# KiCad board OOTstag rev2.kicad_pcb
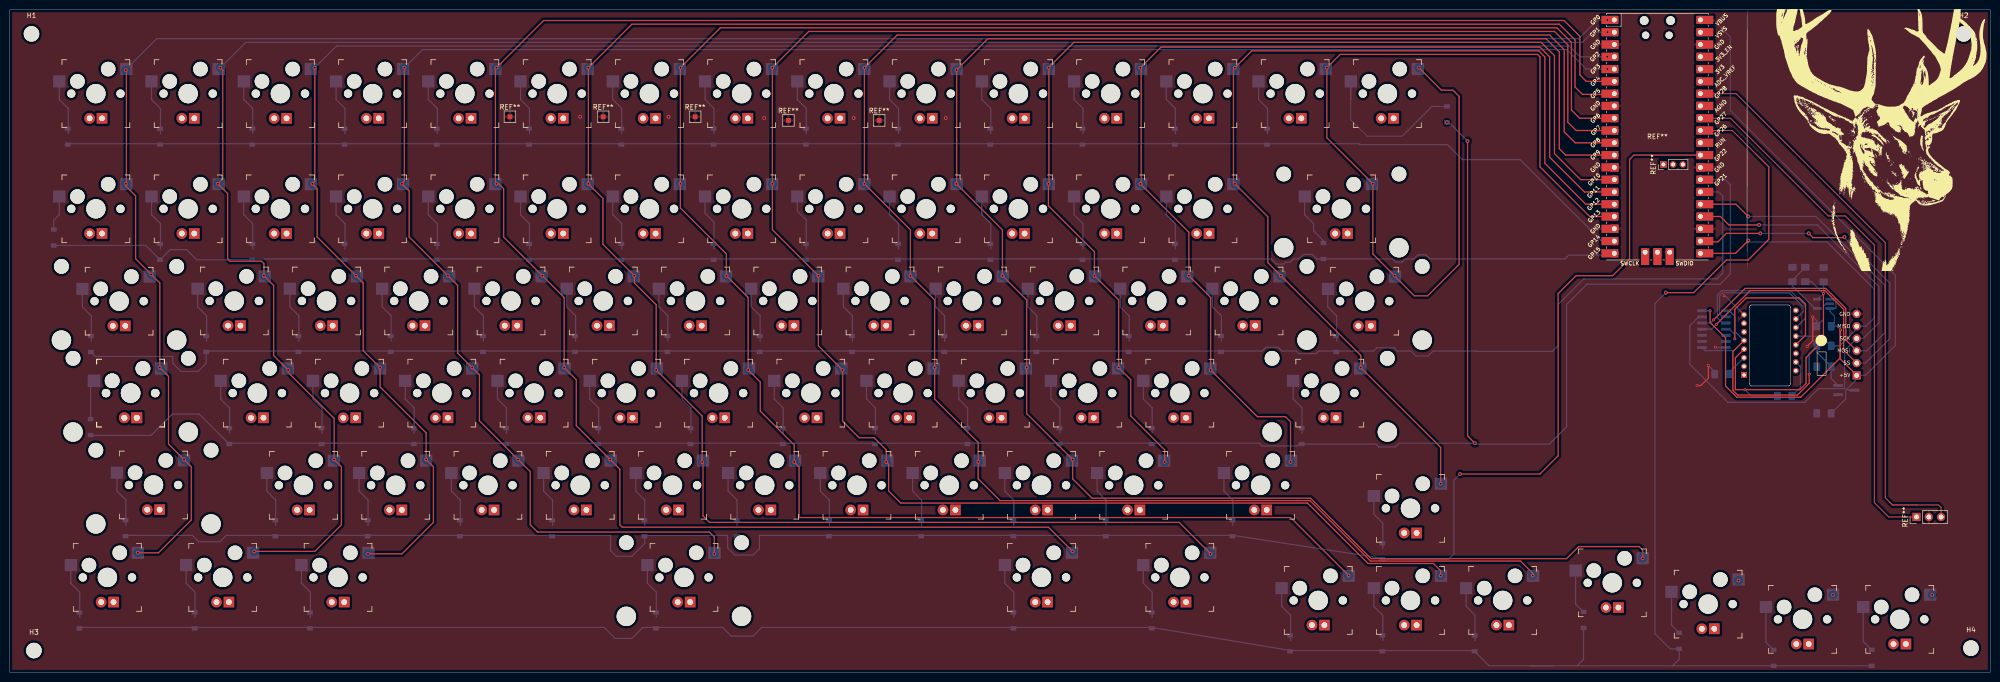
[diagram p0: board, top side]
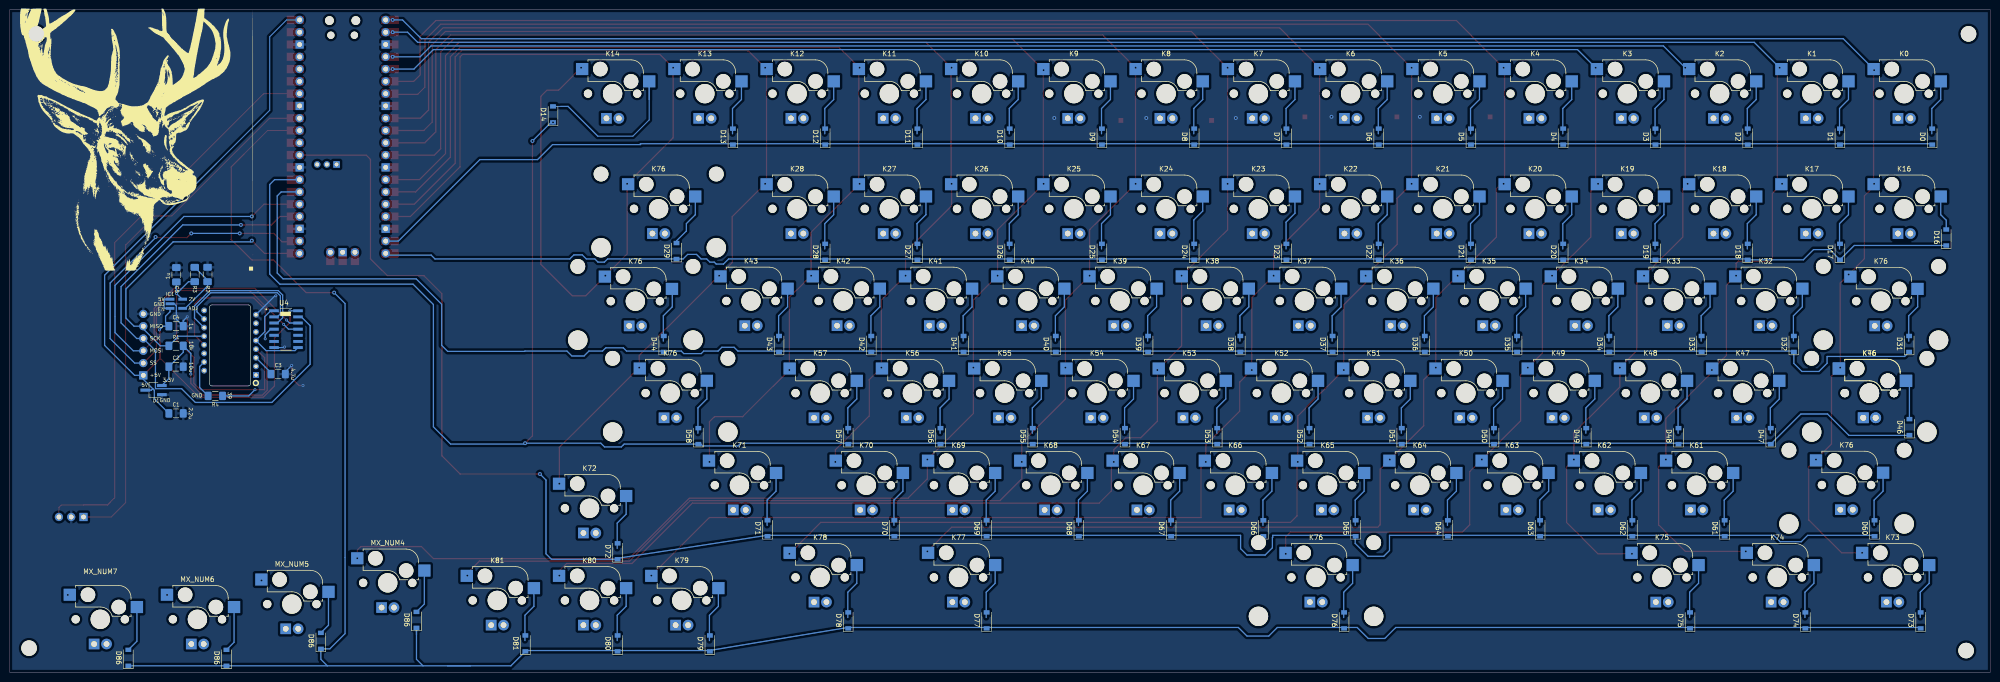
[diagram p1: board, bottom side, seen from below]

Outline 409 x 137 mm; copper layers: Top, Bottom. Coordinates in mm from the lower left corner of the outline.
Outline path: rectangle 0,137 409,0 ; 359.25,75.46 arc(359.39,75.81) 359.75,75.96 367.25,75.96 arc(367.6,75.81) 367.75,75.46 367.75,59.71 arc(367.6,59.36) 367.25,59.21 359.75,59.21 arc(359.39,59.36) 359.25,59.71 359.25,75.46
Stack: Top 0.035mm / dielectric 1.51mm FR4 er 4.5 / Bottom 0.035mm

## Placement (name value [footprint] x y rotation side)
C1  2.2uF  [C_1206_3216Metric_Pad1.42x1.75mm_HandSolder]  374.64 53.53 180 bottom
C2  10uF  [C_1206_3216Metric_Pad1.42x1.75mm_HandSolder]  374.64 63.19 180 bottom
C3  4.7uF  [C_1206_3216Metric_Pad1.42x1.75mm_HandSolder]  353.56 61.66 180 bottom
C4  1uF  [C_1206_3216Metric_Pad1.42x1.75mm_HandSolder]  374.64 71.57 180 bottom
C5  1uF  [C_1206_3216Metric_Pad1.42x1.75mm_HandSolder]  374.58 82.2 90 bottom
D0  D  [D_SOD-123]  12 110.75 90 bottom
D1  D  [D_SOD-123]  31.05 110.75 90 bottom
D2  D  [D_SOD-123]  50.1 110.75 90 bottom
D3  D  [D_SOD-123]  69.15 110.75 90 bottom
D4  D  [D_SOD-123]  88.2 110.75 90 bottom
D5  D  [D_SOD-123]  107.25 110.75 90 bottom
D6  D  [D_SOD-123]  126.3 110.75 90 bottom
D7  D  [D_SOD-123]  145.35 110.75 90 bottom
D8  D  [D_SOD-123]  164.4 110.75 90 bottom
D9  D  [D_SOD-123]  183.45 110.75 90 bottom
D10  D  [D_SOD-123]  202.5 110.75 90 bottom
D11  D  [D_SOD-123]  221.55 110.75 90 bottom
D12  D  [D_SOD-123]  240.6 110.75 90 bottom
D13  D  [D_SOD-123]  259.65 110.75 90 bottom
D14  D  [D_SOD-123]  296.8 115.35 90 bottom
D16  D  [D_SOD-123]  9.1 89.9 90 bottom
D17  D  [D_SOD-123]  31.05 86.94 90 bottom
D18  D  [D_SOD-123]  50.1 86.94 90 bottom
D19  D  [D_SOD-123]  69.15 86.94 90 bottom
D20  D  [D_SOD-123]  88.2 86.94 90 bottom
D21  D  [D_SOD-123]  107.25 86.94 90 bottom
D22  D  [D_SOD-123]  126.3 86.94 90 bottom
D23  D  [D_SOD-123]  145.35 86.94 90 bottom
D24  D  [D_SOD-123]  164.4 86.94 90 bottom
D25  D  [D_SOD-123]  183.45 86.94 90 bottom
D26  D  [D_SOD-123]  202.5 86.94 90 bottom
D27  D  [D_SOD-123]  221.55 86.94 90 bottom
D28  D  [D_SOD-123]  240.6 86.94 90 bottom
D29  D  [D_SOD-123]  271.3 87.1 90 bottom
D31  D  [D_SOD-123]  16.76 67.89 90 bottom
D32  D  [D_SOD-123]  40.58 67.89 90 bottom
D33  D  [D_SOD-123]  59.62 67.89 90 bottom
D34  D  [D_SOD-123]  78.67 67.89 90 bottom
D35  D  [D_SOD-123]  97.73 67.89 90 bottom
D36  D  [D_SOD-123]  116.77 67.89 90 bottom
D37  D  [D_SOD-123]  135.82 67.89 90 bottom
D38  D  [D_SOD-123]  154.88 67.89 90 bottom
D39  D  [D_SOD-123]  173.93 67.89 90 bottom
D40  D  [D_SOD-123]  192.98 67.89 90 bottom
D41  D  [D_SOD-123]  212.03 67.89 90 bottom
D42  D  [D_SOD-123]  231.07 67.89 90 bottom
D43  D  [D_SOD-123]  250.12 67.89 90 bottom
D44  D  [D_SOD-123]  273.94 67.89 90 bottom
D46  D  [D_SOD-123]  16.7 50.7 90 bottom
D47  D  [D_SOD-123]  45.34 48.84 90 bottom
D48  D  [D_SOD-123]  64.39 48.84 90 bottom
D49  D  [D_SOD-123]  83.44 48.84 90 bottom
D50  D  [D_SOD-123]  102.49 48.84 90 bottom
D51  D  [D_SOD-123]  121.54 48.84 90 bottom
D52  D  [D_SOD-123]  140.59 48.84 90 bottom
D53  D  [D_SOD-123]  159.64 48.84 90 bottom
D54  D  [D_SOD-123]  178.69 48.84 90 bottom
D55  D  [D_SOD-123]  197.74 48.84 90 bottom
D56  D  [D_SOD-123]  216.79 48.84 90 bottom
D57  D  [D_SOD-123]  235.84 48.84 90 bottom
D58  D  [D_SOD-123]  266.79 48.84 90 bottom
D60  D  [D_SOD-123]  23.91 29.79 90 bottom
D61  D  [D_SOD-123]  54.86 29.79 90 bottom
D62  D  [D_SOD-123]  73.91 29.79 90 bottom
D63  D  [D_SOD-123]  92.96 29.79 90 bottom
D64  D  [D_SOD-123]  112.01 29.79 90 bottom
D65  D  [D_SOD-123]  131.06 29.79 90 bottom
D66  D  [D_SOD-123]  150.11 29.79 90 bottom
D67  D  [D_SOD-123]  169.16 29.79 90 bottom
D68  D  [D_SOD-123]  188.21 29.79 90 bottom
D69  D  [D_SOD-123]  207.26 29.79 90 bottom
D70  D  [D_SOD-123]  226.31 29.79 90 bottom
D71  D  [D_SOD-123]  252.51 29.79 90 bottom
D72  D  [D_SOD-123]  283.46 25.03 90 bottom
D73  D  [D_SOD-123]  14.38 10.74 90 bottom
D74  D  [D_SOD-123]  38.19 10.74 90 bottom
D75  D  [D_SOD-123]  62.01 10.74 90 bottom
D76  D  [D_SOD-123]  133.44 10.74 90 bottom
D77  D  [D_SOD-123]  207.26 10.74 90 bottom
D78  D  [D_SOD-123]  235.84 10.74 90 bottom
D79  D  [D_SOD-123]  264.41 5.98 90 bottom
D80  D  [D_SOD-123]  283.46 5.98 90 bottom
D81  D  [D_SOD-123]  302.51 5.98 90 bottom
D86  SOD-323  [D_SOD-123]  344.74 6.51 90 bottom
D86#2  SOD-323  [D_SOD-123]  364.24 3 90 bottom
D86#3  SOD-323  [D_SOD-123]  325 10.84 90 bottom
D86#4  SOD-323  [D_SOD-123]  384.5 3 90 bottom
H1  MountingHole  [MountingHole_3.2mm_M3_DIN965]  4.5 132 0 top
H2  MountingHole  [MountingHole_3.2mm_M3_DIN965]  403.5 132 0 top
H3  MountingHole  [MountingHole_3.2mm_M3_DIN965]  5 4.5 0 top
H4  MountingHole  [MountingHole_3.2mm_M3_DIN965]  405 5 0 top
IC1  AP7335-WG-7  [AP7331]  374.58 76.2 180 bottom
J1  Conn_01x06_Female  [PinHeader_1x06_P2.54mm_Vertical]  381.41 74.1 0 top
K0  Esc  [Kailh_socket_MX_led]  17.8 119.64 0 top
K1  F1  [Kailh_socket_MX_led]  36.85 119.64 0 top
K2  F2  [Kailh_socket_MX_led]  55.9 119.64 0 top
K3  F3  [Kailh_socket_MX_led]  74.95 119.64 0 top
K4  F4  [Kailh_socket_MX_led]  94 119.64 0 top
K5  F5  [Kailh_socket_MX_led]  113.05 119.64 0 top
K6  F6  [Kailh_socket_MX_led]  132.1 119.64 0 top
K7  F7  [Kailh_socket_MX_led]  151.15 119.64 0 top
K8  F8  [Kailh_socket_MX_led]  170.2 119.64 0 top
K9  F9  [Kailh_socket_MX_led]  189.25 119.64 0 top
K10  F10  [Kailh_socket_MX_led]  208.3 119.64 0 top
K11  F11  [Kailh_socket_MX_led]  227.35 119.64 0 top
K12  F12  [Kailh_socket_MX_led]  246.4 119.64 0 top
K13  Home  [Kailh_socket_MX_led]  265.45 119.64 0 top
K14  End  [Kailh_socket_MX_led]  284.5 119.64 0 top
K16  ~,`  [Kailh_socket_MX_led]  17.8 95.83 0 top
K17  !,1  [Kailh_socket_MX_led]  36.85 95.83 0 top
K18  @,2  [Kailh_socket_MX_led]  55.9 95.83 0 top
K19  #,3  [Kailh_socket_MX_led]  74.95 95.83 0 top
K20  $,4  [Kailh_socket_MX_led]  94 95.83 0 top
K21  %,5  [Kailh_socket_MX_led]  113.05 95.83 0 top
K22  ^,6  [Kailh_socket_MX_led]  132.1 95.83 0 top
K23  &,7  [Kailh_socket_MX_led]  151.15 95.83 0 top
K24  *,8  [Kailh_socket_MX_led]  170.2 95.83 0 top
K25  (,9  [Kailh_socket_MX_led]  189.25 95.83 0 top
K26  ),0  [Kailh_socket_MX_led]  208.3 95.83 0 top
K27  _,-  [Kailh_socket_MX_led]  227.35 95.83 0 top
K28  +,=  [Kailh_socket_MX_led]  246.4 95.83 0 top
K32  Q  [Kailh_socket_MX_led]  46.38 76.78 0 top
K33  W  [Kailh_socket_MX_led]  65.42 76.78 0 top
K34  E  [Kailh_socket_MX_led]  84.48 76.78 0 top
K35  R  [Kailh_socket_MX_led]  103.52 76.78 0 top
K36  T  [Kailh_socket_MX_led]  122.58 76.78 0 top
K37  Y  [Kailh_socket_MX_led]  141.62 76.78 0 top
K38  U  [Kailh_socket_MX_led]  160.68 76.78 0 top
K39  I  [Kailh_socket_MX_led]  179.73 76.78 0 top
K40  O  [Kailh_socket_MX_led]  198.78 76.78 0 top
K41  P  [Kailh_socket_MX_led]  217.82 76.78 0 top
K42  {,[  [Kailh_socket_MX_led]  236.88 76.78 0 top
K43  },]  [Kailh_socket_MX_led]  255.93 76.78 0 top
K46  Caps Lock  [Kailh_socket_MX_led]  24.94 57.73 0 top
K47  A  [Kailh_socket_MX_led]  51.14 57.73 0 top
K48  S  [Kailh_socket_MX_led]  70.19 57.73 0 top
K49  D  [Kailh_socket_MX_led]  89.24 57.73 0 top
K50  F  [Kailh_socket_MX_led]  108.29 57.73 0 top
K51  G  [Kailh_socket_MX_led]  127.34 57.73 0 top
K52  H  [Kailh_socket_MX_led]  146.39 57.73 0 top
K53  J  [Kailh_socket_MX_led]  165.44 57.73 0 top
K54  K  [Kailh_socket_MX_led]  184.49 57.73 0 top
K55  L  [Kailh_socket_MX_led]  203.54 57.73 0 top
K56  :,;  [Kailh_socket_MX_led]  222.59 57.73 0 top
K57  ",'  [Kailh_socket_MX_led]  241.64 57.73 0 top
K61  Z  [Kailh_socket_MX_led]  60.66 38.68 0 top
K62  X  [Kailh_socket_MX_led]  79.71 38.68 0 top
K63  C  [Kailh_socket_MX_led]  98.76 38.68 0 top
K64  V  [Kailh_socket_MX_led]  117.81 38.68 0 top
K65  B  [Kailh_socket_MX_led]  136.86 38.68 0 top
K66  N  [Kailh_socket_MX_led]  155.91 38.68 0 top
K67  M  [Kailh_socket_MX_led]  174.96 38.68 0 top
K68  <,,  [Kailh_socket_MX_led]  194.01 38.68 0 top
K69  >,.  [Kailh_socket_MX_led]  213.06 38.68 0 top
K70  ?,/  [Kailh_socket_MX_led]  232.11 38.68 0 top
K71  Shift  [Kailh_socket_MX_led]  258.31 38.68 0 top
K72  ↑  [Kailh_socket_MX_led]  289.26 33.92 0 top
K73  Ctrl  [Kailh_socket_MX_led]  20.18 19.63 0 top
K74  Win  [Kailh_socket_MX_led]  43.99 19.63 0 top
K75  Alt  [Kailh_socket_MX_led]  67.81 19.63 0 top
K76  Space  [Kailh_socket_MX_led stab]  139.24 19.63 0 top
K76#2  Space  [Kailh_socket_MX_led stab]  25 57.73 0 top
K76#3  Space  [Kailh_socket_MX_led stab]  22.6 76.73 0 top
K76#4  Space  [Kailh_socket_MX_led stab]  275 95.83 0 top
K76#5  Space  [Kailh_socket_MX_led stab]  272.6 57.73 0 top
K76#6  Space  [Kailh_socket_MX_led stab]  29.7 38.73 0 top
K76#7  Space  [Kailh_socket_MX_led stab]  279.8 76.73 0 top
K77  Alt  [Kailh_socket_MX_led]  213.06 19.63 0 top
K78  Ctrl  [Kailh_socket_MX_led]  241.64 19.63 0 top
K79  ←  [Kailh_socket_MX_led]  270.21 14.87 0 top
K80  ↓  [Kailh_socket_MX_led]  289.26 14.87 0 top
K81  →  [Kailh_socket_MX_led]  308.31 14.87 0 top
MX_NUM4  -  [Kailh_socket_MX_led]  330.93 18.5 0 top
MX_NUM5  -  [Kailh_socket_MX_led]  350.73 14.11 0 top
MX_NUM6  -  [Kailh_socket_MX_led]  370.23 10.96 0 top
MX_NUM7  -  [Kailh_socket_MX_led]  390.29 10.96 0 top
R1  10k  [R_1206_3216Metric_Pad1.42x1.75mm_HandSolder]  374.64 67.5 0 bottom
R2  10k  [R_1206_3216Metric_Pad1.42x1.75mm_HandSolder]  368.13 82.25 90 bottom
R3  15k  [R_1206_3216Metric_Pad1.42x1.75mm_HandSolder]  370.78 82.25 270 bottom
R4  39  [R_1206_3216Metric_Pad1.42x1.75mm_HandSolder]  366.53 57.15 0 bottom
REF**  -  [TestPoint_Pad_2.0x2.0mm]  122.55 114.85 0 top
REF**#2  -  [PinHeader_1x03_P2.00mm_Vertical]  341.5 105 90 top
REF**#3  -  [TestPoint_Pad_2.0x2.0mm]  103.3 114.85 0 top
REF**#4  -  [TestPoint_Pad_2.0x2.0mm]  141.55 114.85 0 top
REF**#5  -  [RPi_Pico_SMD_TH]  340.25 110.75 0 top
REF**#6  -  [TestPoint_Pad_2.0x2.0mm]  160.8 114.1 0 top
REF**#7  -  [PinHeader_1x03_P2.54mm_Vertical]  393.76 32.12 90 top
REF**#8  -  [TestPoint_Pad_2.0x2.0mm]  179.55 114.1 0 top
U1  XC6206P332MR  [TSOT-23_HandSoldering]  379.28 58.35 0 bottom
U2  PMW3360DM-T2QU  [DIP-16_W10.16mm]  359.25 59.96 0 bottom
U4  TXS0104EDR  [SOIC127P600X175-14N]  351.93 70.95 180 bottom

## Library data of the parts
C1 = -: LCSC: C1858
C2 = -: LCSC: C152957
C3 = -: LCSC: C29823
C4 C5 = -: LCSC: C1926
IC1 = -: Description: LDO Voltage Regulators LDO SOT-25 ADJUSTABLE 300MA; Arrow Part Number: AP7331-WG-7; Arrow Price/Stock: https://www.arrow.com/en/products/ap7331-wg-7/diodes-incorporated?region=nac; Height: 1.45; LCSC: C460382; Manufacturer_Name: Diodes Inc.; Manufacturer_Part_Number: AP7331-WG-7; Mouser Part Number: 621-AP7331-WG-7; Mouser Price/Stock: https://www.mouser.co.uk/ProductDetail/Diodes-Incorporated/AP7331-WG-7?qs=vIZ3oKQCLxr9PiNSCoXN%2FQ%3D%3D
R1 R2 = -: LCSC: C328409
R3 = -: LCSC: C351534
R4 = -: LCSC: C153384
U1 = -: LCSC: C347376
U4 = -: LCSC: C79342

## Footprints (pads in the part's own frame, mm; a bottom-side part is the same pattern mirrored in y, then rotated)
AP7331
  rect 1.8x0.6 smd: 1(-1.3,0.95) 2(-1.3,0) 3(-1.3,-0.95) 4(1.3,-0.95) 5(1.3,0.95)
C_1206_3216Metric_Pad1.42x1.75mm_HandSolder
  rrect 1.425x1.75 smd: 1(-1.488,0) 2(1.488,0)
D_SOD-123
  rect 0.9x1.2 smd: 1(-1.65,0) 2(1.65,0)
DIP-16_W10.16mm
  rect 1.2x1.2 hole 0.7: 1(-1.1,-1.52)
  round 1.2 hole 0.7: 2(-1.1,-3.3) 3(-1.1,-5.08) 4(-1.1,-6.86) 5(-1.1,-8.64) 6(-1.1,-10.42) 7(-1.1,-12.2) 8(-1.1,-13.98) 9(9.6,-14.87) 10(9.6,-13.09) 11(9.6,-11.31) 12(9.6,-9.53) 13(9.6,-7.75) 14(9.6,-5.97) 15(9.6,-4.19) 16(9.6,-2.41)
Kailh_socket_MX_led
  round 1.702 hole 1.702 unplated: (-5.08,0) (5.08,0)
  round 3 hole 3 unplated: (-3.81,2.54) (2.54,5.08)
  round 3.988 hole 3.988 unplated: (0,0)
  rect 2.55x2.5 smd far side: 1(6.29,5.08) 2(-7.56,2.54)
  round 2.2 hole 1.2: 3(-1.295,-5.105)
  rect 2.2x2.2 hole 1.2: 4(1.27,-5.105)
Kailh_socket_MX_led stab
  round 3.05 hole 3.05 unplated: (-11.913,7.188) (11.887,7.188)
  round 4 hole 4 unplated: (-11.913,-8.052) (11.887,-8.052)
  round 1.702 hole 1.702 unplated: (-5.08,0) (5.08,0)
  round 3 hole 3 unplated: (-3.81,2.54) (2.54,5.08)
  round 3.988 hole 3.988 unplated: (0,0)
  rect 2.55x2.5 smd far side: 1(6.29,5.08) 2(-7.56,2.54)
  round 2.2 hole 1.2: 3(-1.295,-5.105)
  rect 2.2x2.2 hole 1.2: 4(1.27,-5.105)
MountingHole_3.2mm_M3_DIN965
  round 3.2 hole 3.2 unplated: (0,0)
PinHeader_1x03_P2.00mm_Vertical
  rect 1.35x1.35 hole 0.8: 1(0,0)
  oval 1.35x1.35 hole 0.8: 2(0,-2) 3(0,-4)
PinHeader_1x03_P2.54mm_Vertical
  rect 1.7x1.7 hole 1: 1(0,0)
  oval 1.7x1.7 hole 1: 2(0,-2.54) 3(0,-5.08)
PinHeader_1x06_P2.54mm_Vertical
  oval 1.7x1.7 hole 1: 1(0,0) 2(0,-2.54) 3(0,-5.08) 4(0,-7.62) 5(0,-10.16)
  rect 1.7x1.7 hole 1: 6(0,-12.7)
R_1206_3216Metric_Pad1.42x1.75mm_HandSolder
  rrect 1.425x1.75 smd: 1(-1.488,0) 2(1.488,0)
RPi_Pico_SMD_TH
  oval 1.8x1.8 hole 1.8 unplated: (-2.725,24) (2.725,24)
  oval 1.5x1.5 hole 1.5 unplated: (-2.425,20.97) (2.425,20.97)
  oval 1.7x1.7 hole 1.02: 1(-8.89,24.13) 2(-8.89,21.59) 4(-8.89,16.51) 5(-8.89,13.97) 6(-8.89,11.43) 7(-8.89,8.89) 9(-8.89,3.81) 10(-8.89,1.27) 11(-8.89,-1.27) 12(-8.89,-3.81) 14(-8.89,-8.89) 15(-8.89,-11.43) 16(-8.89,-13.97) 17(-8.89,-16.51) 19(-8.89,-21.59) 20(-8.89,-24.13) 21(8.89,-24.13) 22(8.89,-21.59) 24(8.89,-16.51) 25(8.89,-13.97) 26(8.89,-11.43) 27(8.89,-8.89) 29(8.89,-3.81) 30(8.89,-1.27) 31(8.89,1.27) 32(8.89,3.81) 34(8.89,8.89) 35(8.89,11.43) 36(8.89,13.97) 37(8.89,16.51) 39(8.89,21.59) 40(8.89,24.13) 41(-2.54,-23.9) 43(2.54,-23.9)
  rect 3.5x1.7 smd: 1(-8.89,24.13) 2(-8.89,21.59) 3(-8.89,19.05) 4(-8.89,16.51) 5(-8.89,13.97) 6(-8.89,11.43) 7(-8.89,8.89) 8(-8.89,6.35) 9(-8.89,3.81) 10(-8.89,1.27) 11(-8.89,-1.27) 12(-8.89,-3.81) 13(-8.89,-6.35) 14(-8.89,-8.89) 15(-8.89,-11.43) 16(-8.89,-13.97) 17(-8.89,-16.51) 18(-8.89,-19.05) 19(-8.89,-21.59) 20(-8.89,-24.13) 21(8.89,-24.13) 22(8.89,-21.59) 23(8.89,-19.05) 24(8.89,-16.51) 25(8.89,-13.97) 26(8.89,-11.43) 27(8.89,-8.89) 28(8.89,-6.35) 29(8.89,-3.81) 30(8.89,-1.27) 31(8.89,1.27) 32(8.89,3.81) 33(8.89,6.35) 34(8.89,8.89) 35(8.89,11.43) 36(8.89,13.97) 37(8.89,16.51) 38(8.89,19.05) 39(8.89,21.59) 40(8.89,24.13)
  rect 1.7x1.7 hole 1.02: 3(-8.89,19.05) 8(-8.89,6.35) 13(-8.89,-6.35) 18(-8.89,-19.05) 23(8.89,-19.05) 28(8.89,-6.35) 33(8.89,6.35) 38(8.89,19.05) 42(0,-23.9)
  rect 1.7x3.5 smd: 41(-2.54,-23.9) 42(0,-23.9) 43(2.54,-23.9)
SOIC127P600X175-14N
  rect 1.97x0.6 smd: 1(-2.475,3.81) 2(-2.475,2.54) 3(-2.475,1.27) 4(-2.475,0) 5(-2.475,-1.27) 6(-2.475,-2.54) 7(-2.475,-3.81) 8(2.475,-3.81) 9(2.475,-2.54) 10(2.475,-1.27) 11(2.475,0) 12(2.475,1.27) 13(2.475,2.54) 14(2.475,3.81)
TestPoint_Pad_2.0x2.0mm
  rect 1x1 smd: 1(0,0)
TSOT-23_HandSoldering
  rect 2x0.65 smd: 1(-1.71,0.95) 2(-1.71,-0.95) 3(1.71,0)

## Nets
GND: C1.2 C2.2 C3.2 C4.2 C5.2 IC1.2 J1.1 R2.2 REF**.1 REF**#3.1 REF**#4.1 REF**#5.3 REF**#5.8 REF**#5.13 REF**#5.18 REF**#5.23 REF**#5.28 REF**#5.38 REF**#6.1 REF**#7.2 REF**#8.1 U1.1 U2.8 U4.7

Pads without a net: C1 1; C2 1; C3 1; C4 1; C5 1; D0 1 2; D1 1 2; D2 1 2; D3 1 2; D4 1 2; D5 1 2; D6 1 2; D7 1 2; D8 1 2; D9 1 2; D10 1 2; D11 1 2; D12 1 2; D13 1 2; D14 1 2; D16 1 2; D17 1 2; D18 1 2; D19 1 2; D20 1 2; D21 1 2; D22 1 2; D23 1 2; D24 1 2; D25 1 2; D26 1 2; D27 1 2; D28 1 2; D29 1 2; D31 1 2; D32 1 2; D33 1 2; D34 1 2; D35 1 2; D36 1 2; D37 1 2; D38 1 2; D39 1 2; D40 1 2; D41 1 2; D42 1 2; D43 1 2; D44 1 2; D46 1 2; D47 1 2; D48 1 2; D49 1 2; D50 1 2; D51 1 2; D52 1 2; D53 1 2; D54 1 2; D55 1 2; D56 1 2; D57 1 2; D58 1 2; D60 1 2; D61 1 2; D62 1 2; D63 1 2; D64 1 2; D65 1 2; D66 1 2; D67 1 2; D68 1 2; D69 1 2; D70 1 2; D71 1 2; D72 1 2; D73 1 2; D74 1 2; D75 1 2; D76 1 2; D77 1 2; D78 1 2; D79 1 2; D80 1 2; D81 1 2; D86 1 2; D86#2 1 2; D86#3 1 2; D86#4 1 2; IC1 1 3 4 5; J1 2 3 4 5 6; K0 1 2 3 4; K1 1 2 3 4; K2 1 2 3 4; K3 1 2 3 4; K4 1 2 3 4; K5 1 2 3 4; K6 1 2 3 4; K7 1 2 3 4; K8 1 2 3 4; K9 1 2 3 4; K10 1 2 3 4; K11 1 2 3 4; K12 1 2 3 4; K13 1 2 3 4; K14 1 2 3 4; K16 1 2 3 4; K17 1 2 3 4; K18 1 2 3 4; K19 1 2 3 4; K20 1 2 3 4; K21 1 2 3 4; K22 1 2 3 4; K23 1 2 3 4; K24 1 2 3 4; K25 1 2 3 4; K26 1 2 3 4; K27 1 2 3 4; K28 1 2 3 4; K32 1 2 3 4; K33 1 2 3 4; K34 1 2 3 4; K35 1 2 3 4; K36 1 2 3 4; K37 1 2 3 4; K38 1 2 3 4; K39 1 2 3 4; K40 1 2 3 4; K41 1 2 3 4; K42 1 2 3 4; K43 1 2 3 4; K46 1 2 3 4; K47 1 2 3 4; K48 1 2 3 4; K49 1 2 3 4; K50 1 2 3 4; K51 1 2 3 4; K52 1 2 3 4; K53 1 2 3 4; K54 1 2 3 4; K55 1 2 3 4; K56 1 2 3 4; K57 1 2 3 4; K61 1 2 3 4; K62 1 2 3 4; K63 1 2 3 4; K64 1 2 3 4; K65 1 2 3 4; K66 1 2 3 4; K67 1 2 3 4; K68 1 2 3 4; K69 1 2 3 4; K70 1 2 3 4; K71 1 2 3 4; K72 1 2 3 4; K73 1 2 3 4; K74 1 2 3 4; K75 1 2 3 4; K76 1 2 3 4; K76#2 1 2 3 4; K76#3 1 2 3 4; K76#4 1 2 3 4; K76#5 1 2 3 4; K76#6 1 2 3 4; K76#7 1 2 3 4; K77 1 2 3 4; K78 1 2 3 4; K79 1 2 3 4; K80 1 2 3 4; K81 1 2 3 4; MX_NUM4 1 2 3 4; MX_NUM5 1 2 3 4; MX_NUM6 1 2 3 4; MX_NUM7 1 2 3 4; R1 1 2; R2 1; R3 1 2; R4 1 2; REF**#2 1 2 3; REF**#5 1 2 4 5 6 7 9 10 11 12 14 15 16 17 19 20 21 22 24 25 26 27 29 30 31 32 33 34 35 36 37 39 40 41 42 43; REF**#7 1 3; U1 2 3; U2 1 2 3 4 5 6 7 9 10 11 12 13 14 15 16; U4 1 2 3 4 5 6 8 9 10 11 12 13 14

## Via types
v1: diameter 0.8, hole 0.4, Top to Bottom, 102 vias
v2: diameter 0.6, hole 0.3, Top to Bottom, 14 vias

## Routing (per net, layer and track width the routed paths; a pad name or vN(x,y) marks a point on that pad's centre or on a via; arc(x,y) is an arc through that point)
GND: length 30.9
  Top w0.25: v2(371.18,67.4) 372.33,68.55 v2(372.33,73.5) ; v2(348.43,59.3) 349.23,59.3 350.77,60.84 v2(350.77,63.44)
  Bottom w0.25: v2(352.23,67.25) 352.34,67.14 354.41,67.14 ; U2.8 354.24,77.85 v2(354.03,77.85) ; v2(372.33,73.5) 373.16,72.68 C4.2 374.58,73 374.58,75.75 375.03,76.2 IC1.2 ; v2(350.77,63.44) 352.07,62.13 C3.2
  vias: v1(117.8,114.85) v1(136.05,114.85) v1(155.8,114.6) v1(174.3,114.6) v1(193.3,114.6)
(no net): length 9455.4
  Top w0.2: REF**#7.3 398.84,34.06 398.3,34.6 393.8,34.6 ; REF**#5.32 355.34,114.56 375.55,94.35 379.05,94.35 385.05,88.35 385.05,35.1 388.03,32.12 REF**#7.1 ; REF**#5.31 355.73,112.02 360.6,107.15 ; REF**#5.34 356.51,119.64 387.3,88.85 387.3,36.1 388.3,35.1
  Top w0.25: 378,70.61 378.08,70.69 v2(378.08,70.81) ; 378,70.61 378,65.02 369.86,56.87 356.65,56.87 354.32,59.19 354.32,69.16 351.13,72.35 v2(351.13,74.75) ; 378,70.61 378,64.8 J1.6 ; 350.56,114.5 350.56,114.56 ; v2(351.83,72.85) 358.36,79.37 375.02,79.37 379.16,75.24 379.16,68.73 J1.4 ; v2(371.6,61.66) 371.6,59.76 369.16,57.32 356.83,57.32 355.85,58.31 355.85,66.3 U2.5 ; v1(264.5,43.5) 264.5,51.8 263.45,52.85 257.65,52.85 v1(248,62.5) 248,77.5 v1(243.5,82) 243.5,91 v1(233.5,101) 233.66,101.16 233.66,124.84 v1(233.5,125) 237.75,129.25 316,129.25 318,127.25 318,106.5 325.18,99.32 330.19,99.32 ; 330.19,106.94 321.31,106.94 320,108.25 320,128.25 317.25,131 202,131 v1(195.5,124.5) 195.56,124.44 195.56,101.06 v1(195.5,101) 205,91.5 v1(205,82) 210,77 v1(210,63) 210,53.5 v1(219.5,44) 219.5,40 223.5,36 268.64,36 281.14,23.5 321.5,23.5 324,26 336.5,26 337.22,25.28 v1(337.22,23.58) ; 330.19,101.86 324.39,101.86 319,107.25 319,127.5 316.25,130.25 219.75,130.25 v1(214.5,125) 214.61,124.89 214.61,101.11 v1(214.5,101) 214.5,96.44 224,86.94 v1(224,82) 229,77 v1(229,63) 231.5,60.5 231.5,53 238.5,46 v1(238.5,43.5) ; v1(301.05,109.85) 301.05,48.89 v1(302.57,47.37) ; v1(26.47,24.71) 30.71,24.71 37.5,31.5 37.5,42.5 v1(36,44) 32.8,47.2 32.8,61.2 v1(31,63) 31,80.5 v1(29.25,82.25) 26,85.5 26,98.5 24,100.5 v1(24,101) 24.11,101.11 24.11,124.39 v1(24,124.5) ; 330.19,94.24 326.26,94.24 316,104.5 316,127.25 315.5,127.75 274.75,127.75 v1(272,125) 272,110.5 v1(281.5,101) 281.5,86.5 v1(286,82) 286,81.9 290.05,77.85 292.8,77.85 299.3,84.35 299.3,119.1 298.05,120.35 295.65,120.35 v1(291,125) ; 348.87,111.75 REF**#5.31 ; REF**#5.24 353.26,94.24 355,92.5 v1(361.25,92.5) ; 330.19,122.18 325.57,122.18 324.25,123.5 324.25,131.5 321,134.75 110.25,134.75 v1(100.5,125) 100.31,124.81 100.31,101.19 v1(100.5,101) 101,101 102,100 102,90 v1(110,82) 114.5,77.5 v1(114.5,63) 117,60.5 117,51 v1(124,44) 126,42 126,30.5 126.5,30 214.5,30 v1(219.5,25) ; U2.13 370.83,69.7 370.83,76.14 369.56,77.41 358.6,77.41 356.23,75.05 v2(356.23,68.95) ; v1(361.5,90.75) 354.5,90.75 352.75,89 349.3,89 REF**#5.22 ; 388.3,35.1 388.8,34.6 393.8,34.6 ; REF**#5.21 356.37,86.62 v1(359,89.25) ; v1(145.5,24.5) 145.5,28 144.5,29 109,29 107.5,30.5 107.5,41.5 v1(105,44) 97,52 97,61.5 v1(95.5,63) 92.5,66 92.5,80 v1(90.5,82) 82.5,90 82.5,99.5 v1(81,101) 81.5,101.5 v1(81.5,125) ; REF**#5.25 356.47,96.78 v1(359,94.25) ; v1(63,125) 63,101.5 v1(62.5,101) 63.5,100 63.5,90 v1(71.5,82) 73,80.5 73,66.5 v1(76.5,63) 76.5,59 86,49.5 v1(86,44) 87.5,42.5 87.5,31 81,24.5 v1(74,24.5) ; v1(314.5,20) 314.5,20.5 312,23 281,23 268.5,35.5 204.5,35.5 200,40 v1(200,43.5) 200,47.5 191,56.5 v1(191,63) 191,77 v1(186,82) 186,91.5 v1(176.5,101) 176.51,101.01 176.51,124.99 v1(176.5,125) 183.25,131.75 318,131.75 321,128.75 321,111.75 323.27,109.48 330.19,109.48 ; 349.24,117 REF**#5.33 ; v1(295.5,20) 295.5,21 294,22.5 280.5,22.5 268,35 184,35 181.5,37.5 181.5,43 v1(181,43.5) 181,46 178.5,48.5 175.41,48.5 172,51.91 v1(172,62.5) 167,67.5 v1(167,82) 157.5,91.5 v1(157.5,101) v1(157.5,125) 165,132.5 319,132.5 321.75,129.75 321.75,113.75 323.48,112.02 330.19,112.02 ; 330.19,114.56 324.19,114.56 322.5,116.25 322.5,130.25 319.5,133.25 146.75,133.25 v1(138.5,125) v1(138.5,101) 138.5,96 148,86.5 v1(148,82) 152.5,77.5 v1(152.5,62.5) 155,60 155,54 162,47 v1(162,43.5) 163,42.5 163,32 264.5,32 v1(276.5,20) ; v1(371.5,90.75) 372.38,89.88 378.75,89.88 v1(378.88,90) ; v1(342,78.5) 347.75,78.5 354.5,85.25 359,85.25 363.25,89.5 363.25,104.5 360.6,107.15 ; REF**#5.29 335.39,106.94 334.5,106.05 334.5,85.5 331,82 323.45,82 319.75,78.3 319.75,44.75 316,41 v1(299.5,41) ; 330.53,118.81 329.84,119.5 324.75,119.5 323.25,121 323.25,130.75 320,134 128.5,134 v1(119.5,125) v1(119.5,101) 122.5,98 122.5,88.5 v1(129,82) 129,80.5 133.5,76 v1(133.5,62.5) 143,53 v1(143,43.5) 143.17,43.33 143.17,32.33 144.5,31 241.5,31 v1(248,24.5) ; v2(352.43,71.95) 359.41,78.92 374.83,78.92 378.71,75.05 378.71,66.64 J1.5 ; v1(50.5,25) 63,25 68.5,30.5 68.5,42.5 v1(67,44) 67,52.5 57.5,62 v1(57.5,62.5) 54.5,65.5 54.5,80 v1(52.5,82) 52.5,84.5 52,85 45.5,85 45,85.5 45,99 v1(43,101) 44,102 44,124.5 v1(43.5,125) ; 330.19,96.78 325.47,96.78 317,105.25 317,127.25 315.75,128.5 256.5,128.5 v1(253,125) 252.71,124.71 252.71,101.29 v1(253,101) 259.8,94.2 259.8,84.7 v1(262.5,82) 279,65.5 v1(279,63) 295.5,46.5 v1(295.5,39) ; U2.4 356.36,65.03 356.36,58.44 v2(358.35,58.44) 369.64,58.44 370.96,59.76 370.96,65.09 374.53,68.66 v2(374.53,78.3)
  Bottom w0.2: D14.2 295.2,117 ; K14.2 276.94,114.21 280.3,110.85 287.55,110.85 ; 366.3,105.2 355.3,116.2 355.3,131.4 351.82,134.88 REF**#5.40
  Bottom w0.25: K19.2 67.39,94.61 69.24,92.76 69.24,87.53 ; U2.15 369.77,63.22 369.77,58.9 R4.2 ; MX_NUM6.2 362.67,6.22 D86#2.2 ; K68.2 186.45,37.46 188.3,35.61 188.3,30.38 ; U2.10 370.33,74.53 370.33,75.63 367.48,78.47 353.73,78.47 353.1,77.84 353.1,74.11 353.72,73.49 354.41,73.49 ; 283.55,23.56 252.59,28.32 154.82,28.32 154.82,25.57 153.5,24.25 149.75,24.25 148.25,25.75 148.25,27.86 148.18,27.93 148.18,28.32 131.15,28.32 131.15,26.65 128.5,24 125.25,24 124.07,25.18 124.07,28.32 44.72,28.32 43.4,27 39.04,27 37.72,28.32 23.99,28.32 ; v2(358.35,58.44) 359.63,57.15 R4.1 ; 323.65,1.35 313.9,1.35 ; 323.65,1.35 325,2.7 D86#3.1 325,7.75 ; 323.65,1.35 343.4,1.35 ; 313.9,1.35 318.6,1.35 ; 313.9,1.35 305.49,1.35 D81.1 ; K20.2 86.44,94.61 88.29,92.76 88.29,87.53 ; 112.1,30.38 112.1,35.61 110.25,37.46 K64.2 ; 193.06,68.48 193.06,73.71 191.22,75.56 K40.2 ; 107.34,87.53 107.34,92.76 105.49,94.61 K21.2 ; 45.42,47.37 258.03,47.37 258.6,46.8 265.9,46.8 266.29,47.19 D58.1 282.11,47.19 282.7,46.6 286.16,46.6 286.93,47.37 v1(302.57,47.37) 302.6,47.37 ; 116.86,68.48 116.86,73.71 115.02,75.56 K36.2 ; 202.59,87.53 202.59,92.76 200.74,94.61 K26.2 ; v1(43.5,125) 48.75,130.25 324.75,130.25 326.84,132.34 v1(329.91,132.34) ; 287.55,110.85 293.7,117 295.2,117 ; K74.2 36.43,18.41 38.28,16.56 38.28,11.33 ; v1(371.5,90.75) v1(361.5,90.75) ; 174.01,68.48 174.01,73.71 172.17,75.56 K39.2 ; K8.2 162.64,118.42 164.49,116.57 164.49,111.34 ; 135.91,68.48 135.91,73.71 134.06,75.56 K37.2 ; U2.3 355.05,61.94 C3.1 ; K79.2 262.65,13.65 264.5,11.8 264.5,6.57 ; 379.45,58.63 381.41,60.59 J1.6 383.2,61.4 389.4,67.6 389.4,82.1 366.3,105.2 ; 379.45,58.63 379.13,58.3 379.13,56.53 C1.1 ; 379.45,58.63 379.73,58.35 U1.3 ; 12.09,109.28 278.79,109.28 ; 121.62,49.43 121.62,54.66 119.78,56.51 K51.2 ; K54.2 176.93,56.51 178.77,54.66 178.77,49.43 ; 302.51,47.19 317.94,47.19 321.5,50.75 321.5,76.05 325.7,80.25 353.2,80.25 355.3,82.35 355.3,100.85 354.29,101.86 REF**#5.27 ; K38.2 153.12,75.56 154.96,73.71 154.96,68.48 ; 276.94,118.42 K14.2 ; K46.2 16.7,59.58 D46.2 ; 97.81,68.48 97.81,73.71 95.96,75.56 K35.2 ; 221.64,87.53 221.64,92.76 219.79,94.61 K27.2 ; MX_NUM5.2 343.17,9.73 D86.2 ; 126.39,87.53 126.39,92.76 124.54,94.61 K22.2 ; J1.4 383.48,66.48 387.25,70.25 387.25,80 373,94.25 v1(359,94.25) ; K28.2 238.84,94.61 240.69,92.76 240.69,87.53 ; v1(329.91,124.72) 325.53,124.72 321.5,128.75 85.25,128.75 v1(81.5,125) ; K1.2 29.29,118.42 31.14,116.57 31.14,111.34 ; 250.21,68.48 250.21,73.71 248.37,75.56 K43.2 ; K32.2 38.81,75.56 40.66,73.71 40.66,68.48 ; K61.2 53.1,37.46 54.95,35.61 54.95,30.38 ; 15,79.32 15,75.56 16.85,73.71 16.85,68.48 ; K17.2 29.29,94.61 31.14,92.76 31.14,87.53 ; K55.2 195.98,56.51 197.82,54.66 197.82,49.43 ; K65.2 129.3,37.46 131.15,35.61 131.15,30.38 ; K9.2 181.69,118.42 183.54,116.57 183.54,111.34 ; MX_NUM7.2 382.73,6.42 D86#4.2 ; K76.2 131.68,18.41 133.53,16.56 133.53,11.33 ; 207.35,30.38 207.35,35.61 205.5,37.46 K69.2 ; K52.2 138.83,56.51 140.68,54.66 140.68,49.43 ; REF**#5.19 328.74,89.16 311.9,106 300,106 296.9,109.1 278.7,109.1 ; v2(378.08,70.81) 377.32,71.57 C4.1 ; 169.25,30.38 169.25,35.61 167.4,37.46 K67.2 ; K13.2 257.89,118.42 259.74,116.57 259.74,111.34 ; 221.64,111.34 221.64,116.57 219.79,118.42 K11.2 ; K48.2 62.63,56.51 64.48,54.66 64.48,49.43 ; U4.14 349.47,74.75 v2(351.13,74.75) ; K0.2 10.24,118.42 12.09,116.57 12.09,111.34 ; 267.42,98.37 267.42,94.61 269.26,92.76 269.26,91.24 271.3,89.2 D29.2 ; 240.69,111.34 240.69,116.57 238.84,118.42 K12.2 ; R3.1 368.13,81.09 R2.1 368.13,79.86 372.75,75.25 IC1.4 ; K81.2 300.75,13.65 302.6,11.8 302.6,6.57 ; U2.11 370.83,73.26 370.83,75.76 367.67,78.92 353.55,78.92 352.63,78.01 352.63,73.31 353.72,72.22 354.41,72.22 ; K23.2 143.59,94.91 145.44,93.06 145.44,87.53 ; 69.24,111.34 69.24,116.57 67.39,118.42 K3.2 ; U4.11 351.43,70.95 v2(352.43,71.95) ; K25.2 181.69,94.61 183.54,92.76 183.54,87.53 ; 93.05,30.38 93.05,35.61 91.2,37.46 K63.2 ; C4.1 376.81,72.25 376.81,73.62 375.88,74.55 IC1.3 377.03,75.25 377.11,75.32 377.11,77.07 377.03,77.15 IC1.1 ; C4.1 375.85,71.85 ; 283.55,6.57 283.55,11.8 281.7,13.65 K80.2 ; K10.2 200.74,118.42 202.59,116.57 202.59,111.34 ; U2.12 374.15,69.49 R1.2 377.9,67.5 381.41,71.01 J1.2 383.31,71.56 385,73.25 385,79.25 375.25,89 359.25,89 v1(359,89.25) ; 150.2,30.38 150.2,35.61 148.35,37.46 K66.2 ; 274.03,68.48 274.03,73.71 272.18,75.56 272.18,79.32 ; MX_NUM4.2 323.37,14.12 D86#3.2 ; K62.2 72.15,37.46 74,35.61 74,30.38 ; U1.2 377.57,59.3 376.13,60.74 C2.1 373.16,66.16 R1.1 371.6,65.94 v2(371.6,61.66) ; K7.2 143.59,118.42 145.44,116.57 145.44,111.34 ; v1(329.91,134.88) 327.88,134.88 324,131 30.37,131 K0.1 24.09,124.59 v1(24,124.5) ; REF**#5.20 330.99,86.25 321.96,86.25 321.18,85.47 293.33,85.47 292.5,86.3 290.76,86.3 289.93,85.47 288.17,85.47 287.5,84.8 286.2,84.8 285.53,85.47 269.93,85.47 269,86.4 267.16,86.4 266.23,85.47 265.07,85.47 264.4,84.8 263.5,84.8 263.1,84.4 261.6,84.4 260.53,85.47 50.19,85.47 ; v1(378.88,90) 378.88,89.88 388.25,80.5 388.25,69 383.19,63.94 J1.5 ; IC1.5 373.38,77.15 v2(374.53,78.3) ; 265.03,60.27 265.03,56.51 266.88,54.66 266.88,49.43 ; K24.2 162.64,95.36 164.49,93.51 164.49,87.53 ; K72.2 281.7,32.7 283.55,30.85 283.55,25.62 ; D31.1 17.7,65.3 33.7,65.3 33.7,63.9 35.4,62.2 38.9,62.2 40.58,63.88 D32.1 ; v2(351.83,72.85) 351.2,72.22 U4.12 ; 107.34,111.34 107.34,116.57 105.49,118.42 K5.2 ; 40.66,66.42 258.62,66.42 259.4,67.2 261.94,67.2 262.72,66.42 265.68,66.42 266.2,65.9 269.8,65.9 270.32,66.42 281.62,66.42 282.3,67.1 285.9,67.1 286.58,66.42 289.38,66.42 290.4,65.4 292.9,65.4 293.92,66.42 302.6,66.42 302.67,66.35 318.55,66.35 319.8,67.6 319.8,76.1 325.05,81.35 352.55,81.35 353.75,82.55 353.75,98.5 352.93,99.32 REF**#5.26 ; v2(374.53,78.3) 372.07,80.76 R3.2 ; v2(374.53,78.3) 374.58,78.35 C5.1 ; K53.2 157.88,56.51 159.73,54.66 159.73,49.43 ; 23.99,30.38 23.99,35.61 22.15,37.46 22.15,41.22 ; 62.09,11.33 62.09,16.56 60.25,18.41 K75.2 ; K6.2 124.54,118.42 126.39,116.57 126.39,111.34 ; 354.41,74.76 355.09,74.76 356.33,73.52 356.33,70.41 U2.5 356.06,66.51 350.08,66.51 U4.8 ; v2(356.23,68.95) 356.23,69.81 355.09,70.95 354.41,70.95 ; K2.2 48.34,118.42 50.19,116.57 50.19,111.34 ; K50.2 100.73,56.51 102.58,54.66 102.58,49.43 ; v1(342,78.5) 339.75,76.25 339.75,8 342.89,4.86 D86.1 344.74,2.69 343.4,1.35 ; D18.1 38.61,85.29 36.5,87.4 33.16,87.4 D17.1 28.09,88.25 D16.1 ; 343.4,1.35 D86#2.1 D86#4.1 ; K16.2 10.24,94.61 9.1,93.47 D16.2 ; K77.2 205.5,18.41 207.35,16.56 207.35,11.33 ; K47.2 43.58,56.51 45.42,54.66 45.42,49.43 ; 216.88,49.43 216.88,54.66 215.03,56.51 K56.2 ; K4.2 86.44,118.42 88.29,116.57 88.29,111.34 ; K42.2 229.31,75.56 231.16,73.71 231.16,68.48 ; v1(63,125) 67.5,129.5 322,129.5 324.24,127.26 v1(329.91,127.26) ; 212.11,68.48 212.11,73.71 210.26,75.56 K41.2 ; K57.2 234.08,56.51 235.93,54.66 235.93,49.43 ; D47.1 39.12,53.4 33.6,53.4 29.18,48.98 16.77,48.98 D46.1 ; v1(299.5,41) 298.25,39.75 298.25,24.5 297.12,23.38 D72.1 ; v1(296.8,113.7) 297.2,113.7 v1(301.05,109.85) ; K78.2 234.08,18.41 235.93,16.56 235.93,11.33 ; K33.2 57.86,75.56 59.71,73.71 59.71,68.48 ; 78.76,68.48 78.76,73.71 76.92,75.56 K34.2 ; 83.52,49.43 83.52,54.66 81.68,56.51 K49.2 ; 252.59,30.38 252.59,35.61 250.75,37.46 K71.2 ; U4.13 348.77,73.49 346.96,71.67 346.96,63.69 354.85,55.8 370.66,55.8 373.51,58.65 378.83,58.65 378.9,58.71 378.9,66.51 J1.3 382.77,69.02 386,72.25 386,79.75 373.25,92.5 v1(361.25,92.5) ; 226.4,30.38 226.4,35.61 224.55,37.46 K70.2 ; 14.47,9.27 122.77,9.27 125.04,7 128.46,7 130.73,9.27 147.23,9.27 149,7.5 153.5,7.5 155.27,9.27 235.93,9.27 264.5,4.51 302.6,4.51 ; K18.2 48.34,94.61 50.19,92.76 50.19,87.53 ; K73.2 12.62,18.41 14.47,16.56 14.47,11.33 ; 349.28,119.5 REF**#5.34
  vias: v1(357,19) v1(376.5,16) v1(397,16)

## Copper pours and planes (outline as drawn; the poured copper is in the pictures)
GND on Top: 426.49,-32.43 -22.5,-32 -20,147.5 422.99,150.07
GND on Bottom: 419.5,150 423,-30 -22,-32 -20,151

## Text on the board
B.Silkscreen: GND | ADJ | 2V | 3.3V | 5V | EN | MISO | MOSI | +5V | SCK | SS | 4.7u | 39 | 1u | 10k | 10u | 2.2u
F.Silkscreen: MISO | MOSI | GND | +5V | SCK | SS
